# KiCad board plz actually have soldermask.kicad_pcb (continued)
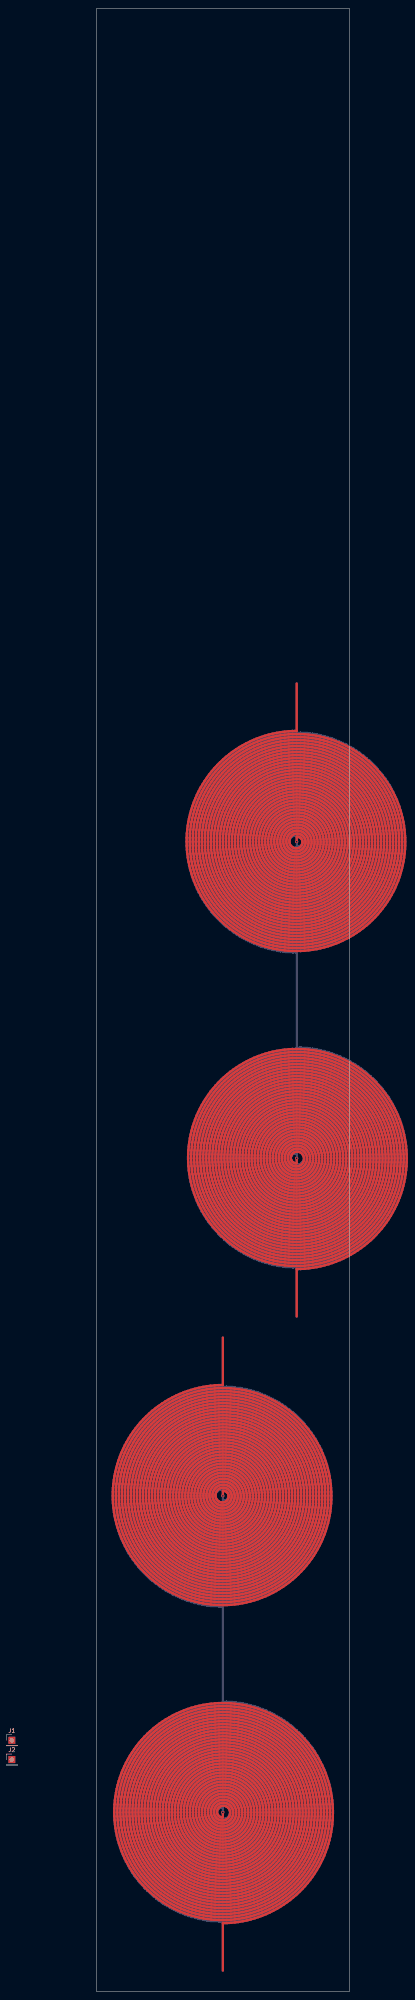
[diagram p0: board, top side]
## Routing (per net, layer and track width the routed paths; a pad name or vN(x,y) marks a point on that pad's centre or on a via; arc(x,y) is an arc through that point) (continued)
46.11,100.42 46.83,101.03 47.52,101.67 48.19,102.33 48.84,103.02 49.45,103.73 50.04,104.47 50.6,105.23 51.13,106 51.63,106.8 52.1,107.62 52.54,108.46 52.95,109.31 53.32,110.17 53.66,111.05 53.97,111.95 54.24,112.85 54.48,113.76 54.68,114.69 54.85,115.62 54.98,116.55 55.07,117.49 55.13,118.44 55.15,119.38 55.14,120.33 55.09,121.27 55,122.21 54.88,123.15 54.72,124.08 54.53,125.01 54.3,125.93 54.04,126.83 53.74,127.73 53.41,128.62 53.04,129.49 52.64,130.35 52.21,131.19 51.74,132.02 51.25,132.83 50.72,133.62 50.16,134.38 49.58,135.13 48.96,135.85 48.32,136.55 47.65,137.22 46.96,137.87 46.24,138.49 45.5,139.09 44.74,139.65 43.95,140.19 43.15,140.69 42.33,141.16 41.48,141.61 40.63,142.02 39.75,142.39 38.87,142.73 37.97,143.04 37.06,143.32 36.14,143.55 35.21,143.76 34.27,143.93 33.33,144.06 32.38,144.15 31.43,144.21 30.48,144.23 29.53,144.22 28.58,144.17 27.63,144.08 26.68,143.96 25.74,143.8 24.81,143.61 23.89,143.38 22.97,143.11 22.07,142.81 21.17,142.47 20.29,142.1 19.43,141.7 18.58,141.27 17.75,140.8 16.93,140.3 16.14,139.77 15.37,139.21 14.62,138.62 13.89,138 13.18,137.35 12.5,136.68 11.85,135.98 11.23,135.26 10.63,134.51 10.06,133.74 9.52,132.95 9.01,132.14 8.54,131.31 8.09,130.47 7.68,129.6 7.3,128.72 6.95,127.83 6.64,126.92 6.37,126.01 6.13,125.08 5.92,124.14 5.75,123.2 5.62,122.25 5.53,121.3 5.47,120.34 5.44,119.38 5.46,118.42 5.51,117.46 5.6,116.51 5.72,115.56 5.88,114.61 6.08,113.67 6.31,112.74 6.58,111.82 6.88,110.9 7.22,110 7.59,109.12 8,108.25 8.43,107.39 8.91,106.55 9.41,105.73 9.94,104.94 10.51,104.16 11.1,103.4 11.73,102.67 12.38,101.96 13.05,101.27 13.76,100.62 14.49,99.99 15.24,99.38 16.01,98.81 16.81,98.27 17.62,97.76 18.46,97.28 19.31,96.83 20.18,96.41 21.07,96.03 21.97,95.68 22.88,95.37 23.81,95.09 24.74,94.85 25.68,94.65 26.63,94.48 27.59,94.34 28.55,94.24 29.51,94.18 30.48,94.16 31.42,94.18 32.37,94.22 33.3,94.31 34.24,94.43 35.17,94.58 36.1,94.77 37.01,94.99 37.92,95.25 38.82,95.54 39.71,95.86 40.58,96.22 41.44,96.61 42.29,97.03 43.12,97.49 43.93,97.97 44.72,98.49 45.5,99.03 46.25,99.6 46.98,100.2 47.69,100.83 48.38,101.48 49.04,102.16 49.67,102.87 50.28,103.59 50.86,104.34 51.41,105.11 51.93,105.9 52.42,106.71 52.89,107.54 53.32,108.38 53.72,109.24 54.08,110.12 54.42,111 54.72,111.9 54.99,112.81 55.22,113.73 55.42,114.66 55.58,115.6 55.71,116.54 55.8,117.48 55.86,118.43 55.88,119.38 55.87,120.33 55.82,121.28 55.73,122.23 55.61,123.17 55.46,124.11 55.27,125.04 55.04,125.96 54.78,126.88 54.49,127.78 54.16,128.68 53.8,129.56 53.41,130.42 52.99,131.27 52.53,132.11 52.04,132.93 51.52,133.73 50.98,134.51 50.4,135.27 49.79,136 49.16,136.72 48.5,137.4 47.82,138.07 47.11,138.71 46.38,139.32 45.63,139.9 44.85,140.46 44.06,140.99 43.24,141.48 42.41,141.95 41.56,142.38 40.69,142.78 39.81,143.15 38.92,143.49 38.01,143.79 37.09,144.06 36.17,144.29 35.23,144.49 34.29,144.66 33.34,144.79 32.39,144.88 31.44,144.94 30.48,144.96 29.52,144.95 28.57,144.9 27.61,144.81 26.66,144.69 25.72,144.54 24.78,144.35 23.85,144.12 22.93,143.86 22.02,143.56 21.12,143.23 20.23,142.87 19.36,142.47 18.5,142.05 17.66,141.59 16.84,141.1 16.03,140.57 15.25,140.02 14.48,139.44 13.74,138.83 13.02,138.2 12.33,137.53 11.66,136.84 11.01,136.13 10.4,135.39 9.81,134.64 9.25,133.85 8.72,133.05 8.22,132.23 7.75,131.39 7.31,130.54 6.91,129.66 6.54,128.78 6.2,127.88 5.89,126.96 5.62,126.04 5.39,125.11 5.19,124.17 5.02,123.22 4.89,122.26 4.8,121.3 4.74,120.34 4.72,119.38 4.73,118.42 4.78,117.45 4.87,116.49 4.99,115.54 5.14,114.59 5.34,113.64 5.57,112.7 5.83,111.78 6.13,110.86 6.46,109.95 6.82,109.06 7.22,108.18 7.65,107.32 8.12,106.47 8.61,105.64 9.14,104.83 9.69,104.04 10.28,103.27 10.89,102.52 11.53,101.8 12.2,101.1 12.89,100.42 13.61,99.78 14.35,99.16 15.12,98.56 15.9,98 16.71,97.47 17.54,96.96 18.38,96.49 19.25,96.05 20.12,95.64 21.02,95.27 21.92,94.93 22.84,94.62 23.77,94.35 24.71,94.11 25.66,93.91 26.62,93.74 27.58,93.61 28.54,93.52 29.51,93.46 30.48,93.44 31.43,93.45 32.37,93.5 33.32,93.58 34.26,93.69 35.2,93.85 36.13,94.03 37.05,94.25 37.96,94.5 38.87,94.79 39.76,95.11 40.65,95.46 41.51,95.84 42.37,96.26 43.21,96.7 44.03,97.18 44.83,97.69 45.62,98.22 46.38,98.78 47.13,99.38 47.85,99.99 48.55,100.64 49.22,101.31 49.88,102 50.5,102.72 51.1,103.46 51.67,104.22 52.21,105 52.73,105.8 53.21,106.62 53.67,107.46 54.09,108.31 54.48,109.18 54.84,110.06 55.17,110.96 55.47,111.86 55.73,112.78 55.96,113.7 56.15,114.64 56.31,115.58 56.44,116.52 56.53,117.47 56.59,118.43 56.61,119.38 56.59,120.33 56.55,121.29 56.46,122.24 56.35,123.19 56.19,124.13 56.01,125.07 55.79,126 55.53,126.92 55.24,127.83 54.92,128.73 54.57,129.62 54.18,130.49 53.76,131.35 53.32,132.2 52.84,133.02 52.33,133.83 51.79,134.62 51.22,135.39 50.62,136.14 50,136.87 49.35,137.58 48.68,138.26 47.98,138.91 47.26,139.54 46.51,140.14 45.75,140.72 44.96,141.26 44.15,141.78 43.33,142.27 42.48,142.73 41.63,143.16 40.75,143.55 39.86,143.91 38.96,144.24 38.05,144.54 37.13,144.8 36.19,145.03 35.25,145.23 34.31,145.39 33.36,145.52 32.4,145.61 31.44,145.67 30.48,145.69 29.52,145.68 28.56,145.63 27.6,145.54 26.65,145.42 25.7,145.27 24.75,145.08 23.82,144.86 22.89,144.61 21.97,144.32 21.07,143.99 20.17,143.64 19.29,143.25 18.43,142.83 17.58,142.37 16.74,141.89 15.93,141.38 15.13,140.83 14.35,140.26 13.6,139.66 12.87,139.04 12.16,138.38 11.47,137.7 10.81,137 10.18,136.27 9.57,135.52 8.99,134.75 8.44,133.96 7.92,133.15 7.43,132.32 6.97,131.47 6.54,130.6 6.14,129.72 5.78,128.83 5.44,127.92 5.15,127 4.88,126.07 4.65,125.13 4.45,124.19 4.29,123.23 4.16,122.28 4.07,121.31 4.01,120.35 3.99,119.38 4,118.41 4.05,117.45 4.14,116.48 4.26,115.52 4.41,114.56 4.6,113.61 4.82,112.67 5.08,111.74 5.37,110.81 5.7,109.9 6.06,109 6.45,108.11 6.87,107.24 7.33,106.39 7.81,105.55 8.33,104.73 8.88,103.92 9.45,103.14 10.06,102.38 10.69,101.65 11.35,100.93 12.03,100.24 12.74,99.58 13.47,98.94 14.23,98.33 15,97.75 15.8,97.19 16.62,96.67 17.46,96.17 18.31,95.71 19.18,95.28 20.07,94.88 20.97,94.51 21.88,94.17 22.81,93.87 23.74,93.6 24.69,93.37 25.64,93.17 26.6,93.01 27.56,92.88 28.53,92.79 29.51,92.73 30.48,92.71 30.48,69.85 31.45,69.83 32.43,69.77 33.4,69.68 34.36,69.55 35.32,69.39 36.27,69.19 37.22,68.96 38.15,68.69 39.08,68.39 39.99,68.05 40.89,67.68 41.78,67.28 42.65,66.85 43.5,66.39 44.34,65.89 45.16,65.37 45.96,64.81 46.73,64.23 47.49,63.62 48.22,62.98 48.93,62.32 49.61,61.63 50.27,60.91 50.9,60.18 51.51,59.42 52.08,58.64 52.63,57.83 53.15,57.01 53.63,56.17 54.09,55.32 54.51,54.45 54.9,53.56 55.26,52.66 55.59,51.75 55.88,50.82 56.14,49.89 56.36,48.95 56.55,48 56.7,47.04 56.82,46.08 56.91,45.11 56.96,44.15 56.97,43.18 56.95,42.21 56.89,41.25 56.8,40.28 56.67,39.33 56.51,38.37 56.31,37.43 56.08,36.49 55.81,35.56 55.52,34.64 55.18,33.73 54.82,32.84 54.42,31.96 53.99,31.09 53.53,30.24 53.04,29.41 52.52,28.6 51.97,27.81 51.39,27.04 50.78,26.29 50.15,25.56 49.49,24.86 48.8,24.18 48.09,23.52 47.36,22.9 46.61,22.3 45.83,21.73 45.03,21.18 44.22,20.67 43.38,20.19 42.53,19.73 41.67,19.31 40.79,18.92 39.89,18.57 38.99,18.24 38.07,17.95 37.14,17.7 36.21,17.48 35.26,17.29 34.31,17.14 33.36,17.02 32.4,16.93 31.44,16.88 30.48,16.87 29.52,16.89 28.56,16.95 27.6,17.04 26.65,17.17 25.71,17.33 24.77,17.53 23.83,17.76 22.91,18.02 22,18.32 21.1,18.65 20.21,19.01 19.33,19.4 18.48,19.83 17.63,20.29 16.81,20.78 16,21.3 15.21,21.84 14.45,22.42 13.7,23.02 12.98,23.65 12.28,24.3 11.61,24.98 10.96,25.69 10.34,26.42 9.74,27.17 9.17,27.94 8.63,28.73 8.12,29.54 7.64,30.36 7.2,31.21 6.78,32.07 6.39,32.94 6.04,33.83 5.72,34.73 5.43,35.64 5.17,36.56 4.95,37.49 4.77,38.43 4.61,39.37 4.5,40.32 4.41,41.27 4.37,42.23 4.35,43.18 4.37,44.13 4.43,45.09 4.52,46.04 4.65,46.98 4.81,47.92 5,48.86 5.23,49.78 5.49,50.7 5.79,51.6 6.12,52.5 6.48,53.38 6.87,54.25 7.29,55.1 7.75,55.94 8.23,56.76 8.75,57.56 9.29,58.34 9.86,59.1 10.46,59.84 11.08,60.56 11.74,61.25 12.41,61.92 13.11,62.57 13.83,63.18 14.58,63.78 15.34,64.34 16.13,64.87 16.93,65.38 17.75,65.86 18.59,66.3 19.45,66.72 20.31,67.1 21.2,67.45 22.09,67.77 23,68.06 23.91,68.31 24.83,68.53 25.76,68.71 26.7,68.87 27.64,68.98 28.59,69.06 29.53,69.11 30.48,69.12 31.45,69.1 32.42,69.04 33.38,68.95 34.34,68.82 35.3,68.65 36.25,68.45 37.19,68.21 38.12,67.94 39.04,67.63 39.94,67.29 40.84,66.92 41.71,66.51 42.58,66.07 43.42,65.6 44.25,65.09 45.06,64.56 45.84,64 46.61,63.4 47.35,62.78 48.07,62.14 48.76,61.46 49.43,60.76 50.07,60.04 50.68,59.29 51.27,58.52 51.82,57.73 52.35,56.92 52.84,56.09 53.31,55.24 53.74,54.38 54.14,53.5 54.5,52.61 54.83,51.7 55.13,50.78 55.39,49.86 55.62,48.92 55.82,47.97 55.97,47.02 56.09,46.07 56.18,45.11 56.23,44.14 56.24,43.18 56.22,42.22 56.16,41.26 56.07,40.3 55.94,39.34 55.77,38.39 55.57,37.45 55.34,36.52 55.07,35.6 54.76,34.68 54.42,33.78 54.05,32.9 53.65,32.02 53.21,31.17 52.74,30.33 52.24,29.51 51.71,28.71 51.15,27.92 50.56,27.17 49.95,26.43 49.3,25.72 48.63,25.03 47.94,24.36 47.22,23.73 46.48,23.12 45.71,22.54 44.93,21.99 44.12,21.46 43.3,20.97 42.46,20.51 41.6,20.09 40.73,19.69 39.84,19.33 38.94,19 38.03,18.7 37.11,18.44 36.18,18.21 35.24,18.02 34.3,17.87 33.35,17.75 32.39,17.66 31.44,17.61 30.48,17.6 29.52,17.62 28.57,17.68 27.62,17.77 26.67,17.9 25.73,18.07 24.79,18.27 23.87,18.5 22.95,18.77 22.04,19.07 21.15,19.41 20.27,19.78 19.4,20.18 18.55,20.61 17.72,21.08 16.9,21.57 16.11,22.1 15.33,22.66 14.58,23.24 13.85,23.85 13.14,24.49 12.46,25.16 11.8,25.84 11.17,26.56 10.56,27.29 9.98,28.05 9.44,28.83 8.92,29.63 8.43,30.45 7.97,31.29 7.55,32.14 7.16,33 6.8,33.88 6.47,34.78 6.18,35.68 5.92,36.6 5.69,37.52 5.5,38.45 5.35,39.39 5.23,40.33 5.14,41.28 5.09,42.23 5.08,43.18 5.1,44.13 5.16,45.08 5.25,46.02 5.38,46.96 5.54,47.9 5.74,48.83 5.97,49.75 6.24,50.66 6.54,51.56 6.88,52.44 7.24,53.32 7.64,54.18 8.07,55.02 8.54,55.85 9.03,56.66 9.55,57.45 10.1,58.22 10.68,58.97 11.29,59.69 11.92,60.4 12.58,61.08 13.27,61.73 13.98,62.36 14.71,62.96 15.46,63.53 16.24,64.07 17.03,64.59 17.84,65.07 18.67,65.53 19.52,65.95 20.38,66.34 21.25,66.7 22.14,67.02 23.04,67.31 23.95,67.57 24.86,67.79 25.79,67.98 26.72,68.13 27.66,68.25 28.59,68.34 29.54,68.38 30.48,68.4 31.45,68.38 32.41,68.32 33.37,68.22 34.33,68.08 35.28,67.91 36.22,67.71 37.15,67.47 38.08,67.19 38.99,66.88 39.89,66.53 40.78,66.15 41.65,65.73 42.5,65.28 43.34,64.8 44.15,64.29 44.95,63.75 45.72,63.18 46.47,62.57 47.2,61.94 47.91,61.29 48.58,60.6 49.23,59.89 49.86,59.16 50.45,58.4 51.02,57.62 51.55,56.83 52.05,56.01 52.53,55.17 52.96,54.31 53.37,53.44 53.74,52.56 54.08,51.66 54.38,50.74 54.65,49.82 54.88,48.89 55.08,47.95 55.24,47 55.36,46.05 55.45,45.1 55.5,44.14 55.52,43.18 55.49,42.22 55.43,41.26 55.34,40.31 55.21,39.36 55.04,38.42 54.83,37.48 54.59,36.55 54.32,35.64 54.01,34.73 53.66,33.84 53.28,32.96 52.87,32.09 52.42,31.25 51.95,30.42 51.44,29.61 50.9,28.82 50.33,28.05 49.73,27.3 49.11,26.58 48.46,25.88 47.78,25.21 47.07,24.56 46.34,23.94 45.59,23.35 44.82,22.79 44.03,22.26 43.21,21.76 42.38,21.29 41.53,20.86 40.67,20.46 39.79,20.09 38.89,19.75 37.99,19.45 37.07,19.18 36.15,18.95 35.22,18.76 34.28,18.6 33.33,18.48 32.38,18.39 31.43,18.34 30.48,18.33 29.53,18.35 28.58,18.41 27.63,18.5 26.69,18.63 25.75,18.8 24.82,19.01 23.9,19.24 22.99,19.52 22.09,19.83 21.21,20.17 20.33,20.54 19.48,20.95 18.63,21.4 17.81,21.87 17.01,22.37 16.22,22.91 15.46,23.47 14.72,24.07 14,24.69 13.31,25.34 12.64,26.01 12,26.71 11.38,27.43 10.8,28.18 10.24,28.94 9.71,29.73 9.22,30.54 8.75,31.37 8.32,32.21 7.92,33.07 7.55,33.94 7.22,34.83 6.92,35.73 6.66,36.63 6.43,37.55 6.24,38.48 6.08,39.41 5.96,40.35 5.87,41.29 5.82,42.23 5.81,43.18 5.83,44.12 5.89,45.07 5.98,46.01 6.11,46.94 6.28,47.87 6.48,48.8 6.72,49.71 6.99,50.61 7.3,51.51 7.64,52.39 8.01,53.25 8.42,54.1 8.86,54.94 9.33,55.76 9.83,56.56 10.36,57.33 10.92,58.09 11.51,58.83 12.12,59.54 12.77,60.23 13.44,60.89 14.13,61.53 14.85,62.14 15.59,62.72 16.35,63.27 17.13,63.79 17.93,64.29 18.75,64.75 19.59,65.18 20.44,65.57 21.31,65.94 22.19,66.27 23.08,66.56 23.98,66.83 24.89,67.05 25.81,67.24 26.74,67.4 27.67,67.52 28.6,67.61 29.54,67.66 30.48,67.67 31.44,67.65 32.4,67.59 33.36,67.49 34.31,67.35 35.25,67.18 36.19,66.97 37.12,66.72 38.04,66.44 38.94,66.12 39.83,65.76 40.71,65.38 41.57,64.95 42.42,64.5 43.24,64.01 44.05,63.49 44.83,62.93 45.59,62.35 46.33,61.74 47.05,61.1 47.73,60.43 48.39,59.74 49.03,59.02 49.63,58.28 50.21,57.51 50.75,56.72 51.26,55.91 51.74,55.09 52.19,54.24 52.6,53.38 52.98,52.5 53.33,51.61 53.63,50.7 53.91,49.79 54.14,48.86 54.34,47.93 54.51,46.99 54.63,46.04 54.72,45.09 54.78,44.13 54.79,43.18 54.77,42.23 54.71,41.27 54.61,40.32 54.47,39.38 54.3,38.44 54.09,37.51 53.85,36.59 53.56,35.68 53.25,34.78 52.9,33.89 52.51,33.02 52.09,32.17 51.64,31.33 51.15,30.51 50.64,29.71 50.09,28.93 49.51,28.18 48.9,27.45 48.27,26.74 47.6,26.06 46.92,25.4 46.2,24.77 45.47,24.17 44.7,23.6 43.92,23.06 43.12,22.55 42.3,22.08 41.46,21.63 40.6,21.22 39.73,20.85 38.85,20.51 37.95,20.2 37.04,19.93 36.12,19.69 35.19,19.49 34.26,19.33 33.32,19.21 32.37,19.12 31.43,19.07 30.48,19.05 29.53,19.08 28.59,19.14 27.65,19.23 26.71,19.37 25.78,19.54 24.85,19.75 23.94,19.99 23.04,20.27 22.14,20.58 21.26,20.93 20.4,21.31 19.55,21.73 18.72,22.18 17.91,22.66 17.11,23.18 16.34,23.72 15.59,24.29 14.86,24.9 14.16,25.53 13.48,26.18 12.83,26.87 12.21,27.58 11.61,28.31 11.05,29.06 10.51,29.84 10.01,30.64 9.54,31.45 9.1,32.28 8.69,33.13 8.32,34 7.98,34.88 7.67,35.77 7.4,36.67 7.17,37.58 6.97,38.5 6.81,39.43 6.69,40.36 6.6,41.3 6.55,42.24 6.53,43.18 6.56,44.12 6.62,45.06 6.71,45.99 6.85,46.92 7.02,47.85 7.22,48.76 7.46,49.67 7.74,50.57 8.05,51.45 8.4,52.33 8.78,53.18 9.19,54.03 9.64,54.85 10.12,55.66 10.63,56.45 11.17,57.21 11.74,57.96 12.33,58.68 12.96,59.38 13.61,60.05 14.29,60.69 14.99,61.31 15.72,61.9 16.47,62.46 17.24,63 18.03,63.5 18.84,63.97 19.67,64.4 20.51,64.81 21.37,65.18 22.24,65.51 23.13,65.82 24.02,66.08 24.93,66.31 25.84,66.51 26.76,66.67 27.69,66.79 28.61,66.88 29.55,66.93 30.48,66.94 31.44,66.92 32.39,66.86 33.34,66.76 34.29,66.62 35.23,66.44 36.16,66.23 37.08,65.97 37.99,65.69 38.89,65.36 39.78,65 40.65,64.6 41.5,64.17 42.33,63.71 43.15,63.21 43.94,62.68 44.71,62.12 45.46,61.53 46.18,60.9 46.88,60.25 47.55,59.58 48.19,58.87 48.81,58.14 49.39,57.39 49.95,56.62 50.47,55.82 50.96,55 51.41,54.17 51.83,53.31 52.22,52.44 52.57,51.56 52.88,50.66 53.16,49.75 53.4,48.83 53.61,47.9 53.78,46.97 53.9,46.02 54,45.08 54.05,44.13 54.06,43.18 54.04,42.23 53.98,41.28 53.88,40.34 53.74,39.4 53.56,38.47 53.35,37.54 53.1,36.63 52.81,35.72 52.49,34.83 52.13,33.95 51.74,33.09 51.31,32.25 50.85,31.42 50.36,30.61 49.83,29.82 49.27,29.06 48.69,28.32 48.07,27.6 47.42,26.91 46.75,26.24 46.05,25.6 45.33,24.99 44.58,24.41 43.81,23.86 43.02,23.35 42.21,22.86 41.38,22.41 40.53,21.99 39.67,21.61 38.79,21.26 37.9,20.95 37,20.67 36.09,20.43 35.17,20.23 34.24,20.06 33.3,19.94 32.36,19.85 31.42,19.79 30.48,19.78 29.54,19.8 28.6,19.86 27.66,19.96 26.73,20.1 25.8,20.28 24.89,20.49 23.98,20.73 23.08,21.02 22.2,21.34 21.33,21.69 20.47,22.09 19.63,22.51 18.81,22.97 18.01,23.46 17.23,23.98 16.47,24.53 15.73,25.12 15.02,25.73 14.33,26.37 13.67,27.03 13.04,27.73 12.43,28.45 11.86,29.19 11.31,29.95 10.8,30.74 10.32,31.54 9.87,32.36 9.46,33.2 9.08,34.06 8.73,34.93 8.42,35.82 8.15,36.71 7.91,37.62 7.71,38.53 7.54,39.45 7.42,40.38 7.33,41.31 7.28,42.24 7.26,43.18 7.28,44.11 7.35,45.05 7.44,45.98 7.58,46.9 7.75,47.82 7.96,48.73 8.21,49.63 8.49,50.52 8.81,51.4 9.16,52.26 9.55,53.11 9.97,53.94 10.42,54.76 10.91,55.55 11.43,56.33 11.98,57.08 12.56,57.81 13.16,58.52 13.8,59.2 14.46,59.86 15.15,60.49 15.86,61.09 16.6,61.66 17.35,62.2 18.13,62.71 18.93,63.18 19.75,63.63 20.58,64.04 21.43,64.42 22.3,64.76 23.17,65.07 24.06,65.34 24.96,65.57 25.87,65.77 26.78,65.94 27.7,66.06 28.63,66.15 29.55,66.2 30.48,66.22 31.43,66.19 32.38,66.13 33.33,66.03 34.27,65.88 35.2,65.7 36.13,65.48 37.04,65.23 37.95,64.93 38.84,64.6 39.71,64.23 40.57,63.83 41.42,63.39 42.24,62.92 43.04,62.41 43.82,61.87 44.58,61.3 45.32,60.7 46.02,60.07 46.71,59.41 47.36,58.72 47.98,58 48.58,57.26 49.14,56.5 49.67,55.72 50.17,54.91 50.63,54.09 51.06,53.24 51.45,52.38 51.81,51.5 52.13,50.61 52.42,49.71 52.66,48.8 52.87,47.88 53.04,46.94 53.17,46.01 53.27,45.07 53.32,44.12 53.34,43.18 53.31,42.24 53.25,41.29 53.15,40.35 53,39.42 52.83,38.49 52.61,37.58 52.35,36.67 52.06,35.77 51.73,34.89 51.37,34.02 50.97,33.17 50.53,32.33 50.06,31.51 49.56,30.72 49.02,29.94 48.46,29.19 47.86,28.46 47.23,27.76 46.58,27.08 45.89,26.44 45.19,25.82 44.45,25.23 43.7,24.67 42.92,24.14 42.12,23.65 41.3,23.19 40.46,22.76 39.61,22.37 38.74,22.02 37.85,21.7 36.96,21.42 36.05,21.17 35.14,20.97 34.22,20.8 33.29,20.67 32.35,20.57 31.42,20.52 30.48,20.51 29.54,20.53 28.61,20.59 27.68,20.69 26.75,20.83 25.83,21.01 24.92,21.23 24.02,21.48 23.13,21.77 22.25,22.1 21.39,22.46 20.54,22.86 19.72,23.29 18.91,23.76 18.12,24.25 17.35,24.79 16.6,25.35 15.88,25.94 15.18,26.56 14.51,27.21 13.87,27.89 13.25,28.59 12.67,29.32 12.12,30.07 11.59,30.84 11.1,31.63 10.65,32.45 10.23,33.28 9.84,34.13 9.49,34.99 9.17,35.86 8.89,36.75 8.65,37.65 8.44,38.56 8.28,39.47 8.15,40.4 8.06,41.32 8,42.25 7.99,43.18 8.01,44.11 8.07,45.04 8.18,45.96 8.31,46.88 8.49,47.79 8.7,48.69 8.96,49.59 9.24,50.47 9.57,51.34 9.93,52.2 10.32,53.04 10.75,53.86 11.21,54.66 11.71,55.45 12.23,56.21 12.79,56.95 13.38,57.66 14,58.35 14.64,59.02 15.31,59.66 16.01,60.27 16.73,60.85 17.47,61.4 18.24,61.91 19.03,62.4 19.83,62.85 20.66,63.27 21.5,63.65 22.35,64 23.22,64.32 24.1,64.59 25,64.84 25.9,65.04 26.8,65.2 27.72,65.33 28.64,65.42 29.56,65.48 30.48,65.49 31.43,65.46 32.37,65.4 33.31,65.29 34.25,65.15 35.18,64.97 36.09,64.74 37,64.48 37.9,64.18 38.78,63.84 39.65,63.46 40.5,63.05 41.33,62.61 42.14,62.12 42.93,61.61 43.7,61.06 44.45,60.48 45.16,59.86 45.86,59.22 46.52,58.55 47.15,57.85 47.76,57.13 48.33,56.38 48.87,55.61 49.38,54.82 49.85,54 50.29,53.17 50.69,52.31 51.05,51.45 51.38,50.56 51.67,49.67 51.92,48.76 52.14,47.85 52.31,46.92 52.44,45.99 52.54,45.06 52.59,44.12 52.61,43.18 52.58,42.24 52.52,41.3 52.41,40.37 52.27,39.44 52.09,38.52 51.87,37.61 51.61,36.71 51.31,35.82 50.97,34.95 50.6,34.09 50.19,33.24 49.75,32.42 49.27,31.61 48.76,30.83 48.21,30.07 47.64,29.33 47.03,28.62 46.39,27.93 45.73,27.27 45.03,26.64 44.32,26.04 43.57,25.48 42.81,24.94 42.02,24.44 41.21,23.97 40.38,23.54 39.54,23.14 38.68,22.78 37.8,22.45 36.92,22.16 36.02,21.91 35.11,21.7 34.19,21.53 33.27,21.4 32.34,21.3 31.41,21.25 30.48,21.23 29.55,21.26 28.62,21.32 27.69,21.43 26.77,21.57 25.86,21.75 24.96,21.97 24.06,22.23 23.18,22.52 22.31,22.86 21.46,23.23 20.62,23.63 19.81,24.07 19.01,24.55 18.23,25.05 17.47,25.59 16.74,26.17 16.04,26.77 15.36,27.4 14.7,28.06 14.08,28.75 13.49,29.46 12.92,30.19 12.39,30.95 11.89,31.74 11.43,32.54 11,33.36 10.6,34.19 10.24,35.05 9.92,35.92 9.64,36.8 9.39,37.69 9.18,38.59 9.01,39.5 8.88,40.41 8.78,41.33 8.73,42.26 8.72,43.18 8.74,44.1 8.8,45.02 8.91,45.94 9.05,46.85 9.23,47.76 9.45,48.66 9.7,49.54 10,50.42 10.33,51.28 10.69,52.12 11.09,52.95 11.53,53.77 12,54.56 12.5,55.33 13.04,56.08 13.61,56.8 14.2,57.5 14.83,58.18 15.48,58.83 16.17,59.44 16.87,60.03 17.6,60.59 18.36,61.12 19.13,61.61 19.93,62.07 20.74,62.5 21.57,62.89 22.42,63.25 23.28,63.57 24.15,63.85 25.03,64.1 25.93,64.3 26.83,64.47 27.74,64.6 28.65,64.7 29.56,64.75 30.48,64.76 31.42,64.74 32.36,64.67 33.3,64.56 34.22,64.42 35.15,64.23 36.06,64 36.96,63.73 37.85,63.42 38.72,63.08 39.58,62.7 40.42,62.28 41.24,61.82 42.04,61.33 42.82,60.8 43.57,60.24 44.3,59.65 45,59.03 45.68,58.38 46.32,57.7 46.94,56.99 47.52,56.25 48.07,55.5 48.58,54.71 49.07,53.91 49.51,53.09 49.92,52.25 50.29,51.39 50.63,50.51 50.92,49.63 51.18,48.73 51.4,47.82 51.58,46.9 51.71,45.98 51.81,45.05 51.87,44.11 51.88,43.18 51.86,42.25 51.79,41.32 51.68,40.39 51.54,39.47 51.35,38.55 51.12,37.65 50.86,36.76 50.55,35.87 50.21,35.01 49.83,34.16 49.41,33.32 48.96,32.51 48.47,31.72 47.95,30.95 47.4,30.2 46.81,29.48 46.2,28.78 45.55,28.11 44.87,27.47 44.17,26.86 43.44,26.29 42.69,25.74 41.92,25.23 41.12,24.75 40.3,24.31 39.47,23.9 38.62,23.53 37.75,23.2 36.87,22.91 35.98,22.65 35.08,22.44 34.17,22.26 33.25,22.13 32.33,22.03 31.41,21.98 30.48,21.96 29.55,21.99 28.63,22.05 27.71,22.16 26.8,22.3 25.89,22.49 25,22.71 24.11,22.98 23.24,23.28 22.38,23.62 21.53,23.99 20.71,24.41 19.9,24.86 19.11,25.34 18.35,25.86 17.61,26.41 16.89,26.99 16.2,27.6 15.54,28.24 14.91,28.91 14.3,29.61 13.73,30.33 13.19,31.07 12.68,31.84 12.21,32.63 11.77,33.44 11.37,34.27 11,35.11 10.67,35.97 10.38,36.84 10.13,37.73 9.92,38.62 9.74,39.52 9.61,40.43 9.51,41.35 9.46,42.26 9.44,43.18 9.47,44.1 9.53,45.01 9.64,45.92 9.78,46.83 9.97,47.73 10.19,48.62 10.45,49.5 10.75,50.36 11.09,51.21 11.46,52.05 11.87,52.87 12.31,53.67 12.79,54.45 13.3,55.21 13.85,55.94 14.43,56.65 15.03,57.33 15.67,57.99 16.33,58.62 17.02,59.22 17.74,59.79 18.48,60.32 19.24,60.83 20.02,61.29 20.82,61.73 21.64,62.13 22.48,62.49 23.33,62.82 24.2,63.1 25.07,63.35 25.96,63.57 26.85,63.74 27.76,63.87 28.66,63.97 29.57,64.02 30.48,64.04 31.42,64.01 32.35,63.94 33.28,63.83 34.2,63.68 35.12,63.49 36.02,63.25 36.91,62.98 37.79,62.67 38.66,62.31 39.51,61.92 40.34,61.5 41.15,61.03 41.93,60.53 42.7,59.99 43.43,59.42 44.15,58.82 44.83,58.19 45.49,57.53 46.11,56.84 46.7,56.12 47.26,55.37 47.79,54.61 48.28,53.82 48.74,53 49.15,52.17 49.53,51.32 49.87,50.46 50.18,49.58 50.44,48.69 50.66,47.79 50.84,46.88 50.98,45.96 51.08,45.03 51.14,44.11 51.15,43.18 51.13,42.25 51.06,41.33 50.95,40.41 50.8,39.49 50.61,38.59 50.38,37.69 50.11,36.8 49.8,35.93 49.45,35.07 49.06,34.23 48.64,33.41 48.17,32.61 47.68,31.83 47.15,31.07 46.58,30.34 45.99,29.63 45.36,28.95 44.7,28.3 44.02,27.69 43.31,27.1 42.57,26.54 41.81,26.02 41.02,25.53 40.22,25.08 39.39,24.67 38.55,24.29 37.7,23.96 36.82,23.66 35.94,23.4 35.05,23.18 34.14,23 33.23,22.86 32.32,22.76 31.4,22.7 30.48,22.69 29.56,22.71 28.64,22.78 27.73,22.89 26.82,23.04 25.93,23.23 25.04,23.46 24.16,23.73 23.29,24.03 22.44,24.38 21.61,24.76 20.8,25.18 20,25.64 19.23,26.13 18.48,26.66 17.75,27.22 17.05,27.81 16.38,28.43 15.74,29.08 15.12,29.76 14.54,30.47 13.99,31.2 13.47,31.95 12.99,32.73 12.54,33.53 12.13,34.34 11.76,35.18 11.43,36.03 11.13,36.89 10.87,37.77 10.65,38.65 10.48,39.55 10.34,40.45 10.24,41.36 10.18,42.27 10.17,43.18 10.19,44.09 10.26,45 10.37,45.9 10.52,46.8 10.7,47.69 10.93,48.58 11.2,49.45 11.5,50.3 11.85,51.14 12.23,51.97 12.64,52.78 13.1,53.57 13.59,54.33 14.11,55.08 14.66,55.79 15.25,56.49 15.86,57.15 16.51,57.79 17.18,58.4 17.88,58.98 18.61,59.52 19.35,60.04 20.12,60.51 20.91,60.96 21.72,61.36 22.55,61.73 23.39,62.06 24.25,62.36 25.12,62.61 26,62.83 26.88,63.01 27.78,63.14 28.67,63.24 29.58,63.29 30.48,63.31 31.41,63.28 32.34,63.21 33.26,63.1 34.17,62.95 35.08,62.75 35.98,62.51 36.86,62.23 37.74,61.91 38.59,61.55 39.43,61.15 40.25,60.71 41.04,60.24 41.82,59.73 42.57,59.18 43.29,58.6 43.98,57.99 44.65,57.35 45.28,56.68 45.89,55.97 46.46,55.25 46.99,54.49 47.49,53.71 47.96,52.92 48.38,52.1 48.77,51.26 49.12,50.4 49.43,49.53 49.7,48.65 49.92,47.75 50.11,46.85 50.25,45.94 50.35,45.02 50.41,44.1 50.43,43.18 50.4,42.26 50.33,41.34 50.22,40.43 50.07,39.52 49.87,38.62 49.63,37.73 49.36,36.85 49.04,35.99 48.68,35.14 48.29,34.31 47.85,33.5 47.38,32.71 46.88,31.95 46.34,31.2 45.76,30.49 45.16,29.8 44.52,29.14 43.85,28.51 43.16,27.91 42.44,27.35 41.69,26.82 40.92,26.32 40.13,25.86 39.31,25.44 38.48,25.05 37.64,24.71 36.77,24.4 35.9,24.14 35.01,23.91 34.12,23.73 33.21,23.59 32.3,23.49 31.39,23.43 30.48,23.41 29.57,23.44 28.66,23.51 27.75,23.62 26.85,23.77 25.96,23.97 25.08,24.2 24.21,24.47 23.36,24.79 22.52,25.14 21.69,25.53 20.89,25.96 20.11,26.43 19.35,26.93 18.61,27.47 17.9,28.04 17.22,28.64 16.57,29.27 15.94,29.93 15.35,30.62 14.79,31.33 14.27,32.07 13.78,32.84 13.32,33.62 12.9,34.43 12.52,35.25 12.18,36.09 11.88,36.94 11.61,37.81 11.39,38.69 11.21,39.58 11.07,40.47 10.97,41.37 10.91,42.28 10.9,43.18 10.92,44.08 10.99,44.99 11.1,45.88 11.25,46.77 11.44,47.66 11.67,48.53 11.95,49.39 12.26,50.24 12.61,51.07 13,51.89 13.42,52.68 13.88,53.46 14.38,54.21 14.91,54.94 15.48,55.64 16.07,56.32 16.7,56.96 17.35,57.58 18.03,58.17 18.74,58.72 19.48,59.24 20.23,59.73 21.01,60.18 21.81,60.6 22.62,60.97 23.46,61.31 24.3,61.61 25.16,61.87 26.03,62.09 26.91,62.27 27.8,62.41 28.69,62.51 29.58,62.57 30.48,62.58 31.4,62.55 32.32,62.48 33.24,62.37 34.15,62.21 35.05,62.01 35.94,61.76 36.81,61.48 37.67,61.15 38.52,60.78 39.35,60.38 40.15,59.93 40.93,59.45 41.69,58.93 42.43,58.37 43.13,57.78 43.81,57.16 44.45,56.5 45.07,55.82 45.65,55.11 46.19,54.37 46.7,53.61 47.18,52.82 47.61,52.01 48.01,51.18 48.36,50.34 48.68,49.48 48.95,48.6 49.19,47.72 49.37,46.82 49.52,45.92 49.62,45.01 49.68,44.09 49.7,43.18 49.67,42.27 49.6,41.35 49.49,40.45 49.33,39.55 49.13,38.66 48.89,37.77 48.61,36.91 48.28,36.05 47.92,35.22 47.51,34.4 47.07,33.6 46.59,32.82 46.08,32.07 45.53,31.35 44.94,30.65 44.33,29.98 43.68,29.34 43,28.73 42.3,28.15 41.56,27.61 40.81,27.11 40.03,26.64 39.23,26.21 38.41,25.82 37.57,25.46 36.72,25.15 35.85,24.88 34.97,24.65 34.09,24.46 33.19,24.32 32.29,24.22 31.39,24.16 30.48,24.14 29.57,24.17 28.67,24.24 27.77,24.35 26.88,24.51 26,24.7 25.13,24.94 24.27,25.23 23.42,25.55 22.59,25.91 21.78,26.31 20.99,26.74 20.22,27.22 19.48,27.73 18.76,28.28 18.07,28.85 17.4,29.46 16.77,30.11 16.17,30.78 15.6,31.48 15.06,32.2 14.56,32.95 14.1,33.72 13.67,34.51 13.28,35.33 12.93,36.16 12.62,37 12.36,37.86 12.13,38.73 11.94,39.61 11.8,40.49 11.7,41.39 11.64,42.28 11.62,43.18 11.65,44.08 11.72,44.97 11.83,45.86 11.99,46.74 12.18,47.62 12.42,48.48 12.7,49.33 13.01,50.17 13.37,50.99 13.77,51.8 14.2,52.58 14.67,53.34 15.18,54.08 15.72,54.79 16.29,55.47 16.9,56.13 17.53,56.76 18.2,57.36 18.89,57.92 19.61,58.45 20.35,58.95 21.11,59.41 21.9,59.83 22.7,60.21 23.52,60.56 24.36,60.86 25.21,61.13 26.07,61.36 26.94,61.54 27.82,61.68 28.7,61.78 29.59,61.84 30.48,61.86 31.4,61.83 32.31,61.75 33.22,61.64 34.12,61.47 35.01,61.27 35.89,61.02 36.76,60.73 37.61,60.39 38.44,60.02 39.26,59.6 40.05,59.14 40.82,58.65 41.56,58.12 42.28,57.55 42.96,56.95 43.62,56.32 44.25,55.66 44.84,54.96 45.39,54.24 45.91,53.49 46.4,52.72 46.84,51.92 47.24,51.11 47.61,50.27 47.93,49.42 48.21,48.56 48.45,47.68 48.64,46.79 48.79,45.9 48.9,44.99 48.96,44.09 48.97,43.18 48.95,42.27 48.87,41.37 48.76,40.47 48.6,39.58 48.39,38.69 48.14,37.82 47.85,36.96 47.52,36.12 47.15,35.29 46.74,34.49 46.29,33.7 45.8,32.94 45.27,32.21 44.71,31.5 44.12,30.82 43.49,30.17 42.83,29.55 42.15,28.96 41.43,28.41 40.69,27.9 39.93,27.42 39.14,26.98 38.33,26.58 37.5,26.22 36.66,25.9 35.81,25.62 34.94,25.39 34.06,25.2 33.17,25.05 32.28,24.95 31.38,24.88 30.48,24.87 29.58,24.9 28.69,24.97 27.8,25.08 26.91,25.24 26.04,25.44 25.17,25.69 24.32,25.98 23.49,26.3 22.67,26.67 21.87,27.08 21.1,27.53 20.34,28.01 19.62,28.53 18.91,29.09 18.24,29.68 17.6,30.3 16.98,30.95 16.4,31.63 15.86,32.34 15.35,33.07 14.88,33.83 14.44,34.61 14.04,35.41 13.69,36.22 13.37,37.06 13.1,37.91 12.87,38.77 12.68,39.64 12.53,40.52 12.43,41.4 12.37,42.29 12.35,43.18 12.38,44.07 12.45,44.96 12.56,45.84 12.72,46.71 12.92,47.58 13.16,48.43 13.45,49.27 13.77,50.1 14.14,50.91 14.54,51.7 14.98,52.47 15.46,53.21 15.98,53.94 16.53,54.63 17.11,55.3 17.72,55.94 18.37,56.54 19.04,57.12 19.74,57.66 20.47,58.16 21.22,58.63 21.99,59.06 22.78,59.45 23.59,59.8 24.42,60.12 25.26,60.39 26.11,60.62 26.97,60.81 27.84,60.95 28.72,61.05 29.6,61.11 30.48,61.13 31.39,61.1 32.29,61.02 33.2,60.9 34.09,60.74 34.97,60.53 35.84,60.27 36.7,59.97 37.54,59.63 38.36,59.25 39.16,58.82 39.94,58.36 40.69,57.85 41.42,57.31 42.12,56.74 42.78,56.12 43.42,55.48 44.02,54.81 44.59,54.1 45.12,53.37 45.61,52.61 46.07,51.83 46.48,51.03 46.85,50.2 47.18,49.36 47.47,48.51 47.71,47.64 47.91,46.76 48.06,45.87 48.17,44.98 48.23,44.08 48.25,43.18 48.22,42.28 48.14,41.38 48.02,40.49 47.86,39.61 47.65,38.73 47.4,37.87 47.1,37.02 46.76,36.19 46.38,35.38 45.96,34.59 45.5,33.82 45,33.07 44.47,32.35 43.9,31.66 43.29,31 42.66,30.37 41.99,29.78 41.29,29.21 40.57,28.69 39.82,28.2 39.04,27.75 38.25,27.35 37.43,26.98 36.6,26.65 35.75,26.37 34.89,26.13 34.02,25.93 33.15,25.78 32.26,25.67 31.37,25.61 30.48,25.6 29.59,25.62 28.7,25.7 27.82,25.82 26.94,25.98 26.08,26.19 25.23,26.44 24.39,26.73 23.56,27.06 22.76,27.44 21.97,27.86 21.21,28.31 20.47,28.81 19.76,29.33 19.08,29.9 18.43,30.5 17.8,31.13 17.21,31.79 16.66,32.48 16.14,33.2 15.66,33.94 15.21,34.71 14.81,35.49 14.44,36.3 14.12,37.12 13.84,37.96 13.6,38.81 13.41,39.67 13.26,40.54 13.15,41.42 13.09,42.3 13.08,43.18 13.11,44.06 13.18,44.94 13.3,45.81 13.46,46.68 13.66,47.53 13.91,48.38 14.2,49.21 14.53,50.02 14.9,50.82 15.32,51.6 15.77,52.35 16.25,53.08 16.78,53.79 17.34,54.46 17.93,55.11 18.55,55.73 19.21,56.31 19.89,56.86 20.6,57.37 21.34,57.85 22.09,58.29 22.87,58.69 23.67,59.05 24.48,59.37 25.31,59.64 26.16,59.88 27.01,60.07 27.87,60.22 28.74,60.32 29.61,60.38 30.48,60.4 31.38,60.37 32.28,60.29 33.17,60.17 34.06,60 34.93,59.78 35.79,59.52 36.64,59.22 37.46,58.87 38.27,58.48 39.06,58.04 39.82,57.57 40.56,57.05 41.27,56.5 41.95,55.91 42.59,55.29 43.21,54.64 43.78,53.95 44.32,53.24 44.83,52.5 45.29,51.73 45.71,50.94 46.09,50.13 46.43,49.3 46.72,48.46 46.97,47.6 47.17,46.73 47.33,45.85 47.44,44.96 47.5,44.07 47.52,43.18 47.49,42.29 47.41,41.4 47.29,40.52 47.12,39.64 46.91,38.78 46.65,37.93 46.35,37.09 46,36.27 45.61,35.47 45.18,34.69 44.71,33.94 44.21,33.21 43.66,32.51 43.08,31.84 42.46,31.2 41.82,30.59 41.14,30.02 40.43,29.48 39.7,28.99 38.94,28.53 38.16,28.11 37.36,27.74 36.54,27.4 35.7,27.11 34.85,26.87 33.99,26.67 33.12,26.51 32.24,26.4 31.36,26.34 30.48,26.32 29.6,26.35 28.72,26.43 27.85,26.55 26.98,26.71 26.12,26.93 25.28,27.18 24.45,27.48 23.64,27.82 22.85,28.21 22.08,28.63 21.34,29.1 20.61,29.6 19.92,30.14 19.26,30.72 18.62,31.32 18.02,31.96 17.46,32.64 16.93,33.34 16.44,34.06 15.99,34.81 15.57,35.58 15.2,36.38 14.87,37.19 14.59,38.02 14.34,38.86 14.14,39.71 13.99,40.57 13.88,41.44 13.82,42.31 13.8,43.18 13.83,44.05 13.91,44.92 14.03,45.79 14.19,46.64 14.4,47.49 14.65,48.32 14.95,49.14 15.29,49.94 15.67,50.73 16.09,51.49 16.55,52.23 17.05,52.94 17.58,53.62 18.15,54.28 18.75,54.91 19.39,55.5 20.05,56.06 20.74,56.58 21.46,57.07 22.2,57.52 22.97,57.92 23.75,58.29 24.55,58.62 25.37,58.9 26.2,59.14 27.05,59.34 27.9,59.49 28.75,59.6 29.62,59.66 30.48,59.67 31.37,59.64 32.26,59.56 33.15,59.44 34.02,59.26 34.88,59.04 35.73,58.77 36.57,58.46 37.38,58.1 38.18,57.7 38.95,57.26 39.7,56.77 40.42,56.25 41.11,55.69 41.76,55.09 42.39,54.46 42.97,53.79 43.53,53.1 44.04,52.37 44.51,51.62 44.94,50.85 45.33,50.05 45.67,49.23 45.97,48.4 46.23,47.55 46.44,46.69 46.6,45.82 46.71,44.95 46.77,44.06 46.79,43.18 46.76,42.3 46.68,41.42 46.56,40.54 46.39,39.68 46.17,38.82 45.9,37.98 45.59,37.16 45.24,36.35 44.84,35.57 44.4,34.8 43.92,34.06 43.41,33.35 42.85,32.67 42.26,32.02 41.63,31.41 40.98,30.82 40.29,30.28 39.57,29.77 38.83,29.3 38.06,28.88 37.27,28.49 36.47,28.15 35.64,27.86 34.8,27.61 33.95,27.4 33.09,27.24 32.23,27.13 31.35,27.07 30.48,27.05 29.61,27.08 28.74,27.16 27.87,27.28 27.02,27.45 26.17,27.67 25.34,27.93 24.53,28.24 23.73,28.59 22.95,28.98 22.2,29.41 21.47,29.89 20.76,30.4 20.09,30.95 19.45,31.53 18.84,32.15 18.26,32.8 17.72,33.48 17.22,34.19 16.76,34.93 16.34,35.68 15.96,36.46 15.62,37.26 15.33,38.08 15.08,38.9 14.88,39.75 14.72,40.6 14.61,41.45 14.55,42.32 14.53,43.18 14.56,44.04 14.64,44.9 14.76,45.76 14.93,46.6 15.14,47.44 15.4,48.26 15.7,49.07 16.05,49.86 16.44,50.62 16.87,51.37 17.34,52.09 17.84,52.79 18.39,53.45 18.96,54.09 19.58,54.69 20.22,55.26 20.89,55.79 21.59,56.29 22.32,56.74 23.07,57.16 23.84,57.54 24.63,57.87 25.43,58.16 26.25,58.4 27.09,58.6 27.93,58.76 28.77,58.87 29.63,58.93 30.48,58.95 31.36,58.92 32.24,58.83 33.12,58.71 33.98,58.53 34.84,58.3 35.67,58.03 36.5,57.7 37.3,57.34 38.08,56.93 38.83,56.48 39.56,55.98 40.26,55.45 40.93,54.87 41.56,54.26 42.16,53.62 42.73,52.95 43.25,52.24 43.73,51.51 44.17,50.75 44.57,49.96 44.92,49.16 45.23,48.34 45.49,47.5 45.7,46.65 45.86,45.79 45.98,44.93 46.05,44.05 46.07,43.18 46.03,42.31 45.95,41.44 45.83,40.57 45.65,39.72 45.42,38.87 45.15,38.05 44.84,37.23 44.48,36.44 44.07,35.67 43.62,34.92 43.13,34.2 42.6,33.51 42.04,32.85 41.44,32.22 40.8,31.63 40.13,31.08 39.43,30.56 38.71,30.08 37.96,29.65 37.19,29.26 36.39,28.91 35.58,28.6 34.75,28.35 33.91,28.14 33.06,27.97 32.21,27.86 31.34,27.79 30.48,27.78 29.62,27.81 28.76,27.89 27.9,28.01 27.06,28.19 26.22,28.41 25.41,28.68 24.6,28.99 23.82,29.35 23.06,29.75 22.32,30.19 21.61,30.68 20.92,31.2 20.27,31.76 19.65,32.35 19.07,32.98 18.52,33.64 18.01,34.33 17.54,35.05 17.11,35.79 16.72,36.55 16.37,37.34 16.08,38.14 15.82,38.96 15.61,39.79 15.45,40.63 15.34,41.47 15.28,42.33 15.26,43.18 15.29,44.03 15.37,44.88 15.49,45.73 15.67,46.56 15.88,47.38 16.15,48.19 16.46,48.99 16.81,49.76 17.21,50.51 17.65,51.24 18.12,51.95 18.64,52.62 19.19,53.27 19.78,53.88 20.4,54.46 21.05,55 21.74,55.5 22.44,55.97 23.18,56.39 23.93,56.78 24.71,57.12 25.5,57.41 26.31,57.66 27.13,57.87 27.96,58.03 28.79,58.14 29.64,58.2 30.48,58.22 31.35,58.19 32.22,58.1 33.09,57.97 33.94,57.79 34.78,57.56 35.61,57.28 36.42,56.95 37.21,56.57 37.97,56.15 38.71,55.69 39.42,55.18 40.1,54.64 40.74,54.06 41.35,53.44 41.92,52.78 42.46,52.1 42.95,51.38 43.4,50.64 43.81,49.87 44.17,49.08 44.48,48.28 44.75,47.45 44.96,46.61 45.13,45.76 45.25,44.91 45.32,44.04 45.34,43.18 45.31,42.32 45.22,41.46 45.09,40.6 44.91,39.76 44.68,38.93 44.4,38.11 44.08,37.31 43.71,36.54 43.3,35.78 42.84,35.05 42.34,34.35 41.8,33.68 41.22,33.04 40.61,32.44 39.97,31.88 39.29,31.35 38.58,30.86 37.85,30.42 37.09,30.02 36.31,29.66 35.51,29.35 34.7,29.09 33.87,28.87 33.03,28.71 32.19,28.59 31.33,28.52 30.48,28.5 29.63,28.54 28.78,28.62 27.93,28.75 27.1,28.93 26.28,29.15 25.47,29.43 24.69,29.75 23.92,30.11 23.17,30.52 22.45,30.97 21.76,31.47 21.1,32 20.47,32.57 19.87,33.17 19.31,33.81 18.79,34.48 18.31,35.18 17.87,35.9 17.48,36.65 17.13,37.42 16.82,38.21 16.56,39.01 16.35,39.83 16.19,40.66 16.07,41.5 16,42.34 15.99,43.18 16.02,44.02 16.1,44.86 16.23,45.69 16.4,46.52 16.63,47.33 16.9,48.12 17.21,48.9 17.58,49.66 17.98,50.4 18.43,51.11 18.91,51.79 19.44,52.45 20,53.07 20.6,53.65 21.23,54.21 21.89,54.72 22.58,55.19 23.29,55.63 24.03,56.02 24.79,56.37 25.57,56.67 26.37,56.92 27.17,57.13 27.99,57.3 28.82,57.41 29.65,57.48 30.48,57.49 31.34,57.46 32.2,57.37 33.06,57.24 33.9,57.05 34.73,56.81 35.54,56.52 36.33,56.19 37.11,55.8 37.85,55.37 38.57,54.9 39.26,54.39 39.92,53.83 40.54,53.24 41.12,52.61 41.66,51.94 42.17,51.25 42.63,50.52 43.04,49.77 43.41,49 43.73,48.21 44,47.39 44.23,46.57 44.4,45.73 44.52,44.89 44.59,44.03 44.61,43.18 44.58,42.33 44.49,41.48 44.36,40.64 44.17,39.8 43.94,38.99 43.65,38.18 43.32,37.4 42.94,36.64 42.52,35.9 42.05,35.19 41.54,34.51 40.99,33.86 40.41,33.25 39.79,32.68 39.13,32.14 38.44,31.64 37.73,31.19 36.99,30.78 36.23,30.41 35.44,30.1 34.64,29.83 33.83,29.61 33,29.44 32.16,29.32 31.32,29.25 30.48,29.23 29.64,29.26 28.8,29.35 27.97,29.48 27.15,29.66 26.34,29.9 25.55,30.18 24.78,30.5 24.02,30.88 23.3,31.3 22.6,31.76 21.92,32.26 21.29,32.8 20.68,33.38 20.11,33.99 19.58,34.64 19.09,35.32 18.64,36.02 18.24,36.76 17.88,37.51 17.57,38.28 17.3,39.07 17.09,39.88 16.92,40.69 16.8,41.52 16.73,42.35 16.71,43.18 16.74,44.01 16.83,44.84 16.96,45.66 17.14,46.47 17.37,47.27 17.65,48.05 17.97,48.81 18.34,49.55 18.75,50.27 19.21,50.96 19.7,51.62 20.24,52.25 20.81,52.85 21.42,53.41 22.05,53.94 22.72,54.42 23.42,54.86 24.14,55.26 24.88,55.61 25.65,55.92 26.43,56.18 27.22,56.4 28.03,56.56 28.84,56.68 29.66,56.75 30.48,56.77 31.33,56.73 32.18,56.64 33.02,56.5 33.85,56.31 34.67,56.07 35.47,55.77 36.24,55.43 37,55.03 37.72,54.6 38.42,54.11 39.09,53.59 39.72,53.02 40.31,52.42 40.87,51.78 41.38,51.1 41.85,50.4 42.28,49.67 42.65,48.91 42.98,48.13 43.26,47.33 43.49,46.52 43.67,45.7 43.79,44.86 43.87,44.02 43.88,43.18 43.85,42.34 43.76,41.5 43.63,40.67 43.43,39.85 43.19,39.05 42.9,38.26 42.56,37.49 42.18,36.75 41.74,36.03 41.27,35.34 40.75,34.69 40.19,34.06 39.59,33.48 38.96,32.93 38.29,32.42 37.6,31.96 36.88,31.54 36.13,31.17 35.36,30.85 34.58,30.57 33.78,30.34 32.96,30.17 32.14,30.05 31.31,29.98 30.48,29.96 29.65,29.99 28.82,30.08 28.01,30.21 27.2,30.4 26.41,30.64 25.63,30.93 24.87,31.26 24.14,31.64 23.43,32.07 22.75,32.54 22.1,33.05 21.49,33.6 20.91,34.19 20.37,34.82 19.87,35.47 19.41,36.16 19,36.87 18.63,37.61 18.31,38.36 18.04,39.14 17.82,39.93 17.65,40.73 17.53,41.54 17.46,42.36 17.44,43.18 17.47,44 17.56,44.81 17.69,45.62 17.88,46.42 18.11,47.2 18.4,47.96 18.73,48.71 19.1,49.43 19.52,50.13 19.99,50.8 20.49,51.44 21.04,52.05 21.62,52.62 22.23,53.15 22.88,53.64 23.55,54.09 24.26,54.5 24.98,54.86 25.73,55.18 26.5,55.44 27.27,55.66 28.07,55.83 28.87,55.95 29.67,56.02 30.48,56.04 31.32,56 32.16,55.91 32.98,55.77 33.8,55.57 34.6,55.32 35.38,55.02 36.14,54.67 36.88,54.26 37.59,53.82 38.26,53.32 38.9,52.79 39.51,52.21 40.07,51.59 40.6,50.94 41.08,50.26 41.51,49.55 41.9,48.81 42.23,48.05 42.52,47.27 42.75,46.47 42.94,45.66 43.06,44.84 43.14,44.01 43.16,43.18 43.12,42.35 43.03,41.53 42.89,40.71 42.7,39.91 42.45,39.12 42.15,38.35 41.8,37.6 41.41,36.87 40.96,36.17 40.48,35.51 39.95,34.88 39.38,34.28 38.77,33.72 38.13,33.21 37.46,32.73 36.76,32.31 36.03,31.93 35.28,31.59 34.51,31.31 33.72,31.08 32.92,30.9 32.11,30.78 31.3,30.7 30.48,30.68 29.66,30.72 28.85,30.81 28.05,30.95 27.25,31.14 26.48,31.38 25.72,31.68 24.98,32.02 24.26,32.41 23.58,32.85 22.92,33.33 22.3,33.85 21.71,34.41 21.16,35.01 20.65,35.64 20.18,36.3 19.76,36.99 19.39,37.71 19.06,38.45 18.78,39.21 18.56,39.99 18.38,40.77 18.26,41.57 18.19,42.37 18.17,43.18 18.2,43.98 18.29,44.79 18.43,45.58 18.62,46.36 18.86,47.13 19.15,47.87 19.48,48.6 19.87,49.31 20.3,49.98 20.77,50.63 21.28,51.24 21.84,51.82 22.43,52.36 23.05,52.87 23.7,53.32 24.38,53.74 25.09,54.11 25.82,54.43 26.57,54.7 27.33,54.93 28.11,55.1 28.89,55.22 29.69,55.29 30.48,55.31 31.31,55.28 32.13,55.18 32.94,55.04 33.74,54.83 34.53,54.57 35.29,54.26 36.04,53.9 36.75,53.49 37.44,53.03 38.09,52.53 38.7,51.98 39.28,51.4 39.81,50.77 40.3,50.11 40.74,49.42 41.14,48.7 41.48,47.96 41.78,47.2 42.02,46.41 42.2,45.62 42.33,44.81 42.41,44 42.43,43.18 42.39,42.37 42.3,41.55 42.16,40.75 41.96,39.96 41.7,39.19 41.4,38.44 41.04,37.71 40.64,37 40.18,36.33 39.69,35.69 39.15,35.08 38.57,34.52 37.96,33.99 37.31,33.51 36.63,33.07 35.92,32.68 35.19,32.34 34.43,32.05 33.66,31.82 32.88,31.63 32.08,31.51 31.28,31.43 30.48,31.41 29.68,31.45 28.88,31.54 28.09,31.68 27.31,31.88 26.55,32.13 25.81,32.43 25.09,32.78 24.4,33.18 23.73,33.62 23.1,34.11 22.51,34.64 21.95,35.21 21.43,35.82 20.96,36.46 20.53,37.13 20.14,37.82 19.81,38.54 19.53,39.29 19.29,40.05 19.11,40.82 18.99,41.6 18.91,42.39 18.89,43.18 18.93,43.97 19.02,44.76 19.16,45.53 19.35,46.3 19.6,47.05 19.9,47.78 20.24,48.49 20.63,49.17 21.07,49.82 21.55,50.44 22.08,51.03 22.64,51.58 23.23,52.09 23.86,52.56 24.52,52.98 25.21,53.36 25.92,53.68 26.65,53.96 27.39,54.19 28.15,54.37 28.92,54.49 29.7,54.57 30.48,54.59 31.29,54.55 32.1,54.45 32.9,54.3 33.68,54.09 34.45,53.83 35.2,53.51 35.92,53.14 36.61,52.72 37.27,52.25 37.89,51.74 38.48,51.18 39.02,50.58 39.52,49.95 39.98,49.28 40.38,48.59 40.73,47.86 41.03,47.12 41.28,46.35 41.47,45.57 41.61,44.78 41.68,43.98 41.7,43.18 41.67,42.38 41.57,41.59 41.42,40.8 41.22,40.03 40.96,39.27 40.64,38.54 40.28,37.83 39.87,37.15 39.41,36.5 38.9,35.88 38.35,35.31 37.76,34.77 37.14,34.28 36.49,33.84 35.8,33.44 35.09,33.09 34.35,32.8 33.6,32.55 32.83,32.37 32.05,32.23 31.27,32.16 30.48,32.14 29.69,32.17 28.91,32.27 28.14,32.42 27.38,32.62 26.64,32.87 25.91,33.18 25.22,33.54 24.55,33.95 23.91,34.4 23.3,34.9 22.74,35.44 22.21,36.01 21.73,36.63 21.29,37.27 20.9,37.95 20.56,38.65 20.27,39.37 20.03,40.11 19.84,40.87 19.71,41.63 19.64,42.4 19.62,43.18 19.66,43.95 19.75,44.72 19.89,45.48 20.09,46.23 20.34,46.96 20.65,47.67 21,48.36 21.4,49.02 21.85,49.64 22.34,50.24 22.87,50.79 23.43,51.31 24.04,51.79 24.67,52.22 25.33,52.6 26.02,52.94 26.73,53.22 27.46,53.46 28.2,53.64 28.96,53.77 29.72,53.84 30.48,53.86 31.28,53.82 32.07,53.72 32.85,53.56 33.62,53.35 34.37,53.08 35.09,52.75 35.79,52.37 36.46,51.95 37.09,51.47 37.68,50.94 38.24,50.38 38.75,49.77 39.21,49.13 39.62,48.46 39.98,47.76 40.29,47.03 40.54,46.28 40.74,45.52 40.88,44.75 40.96,43.97 40.98,43.18 40.94,42.4 40.84,41.62 40.69,40.85 40.48,40.1 40.21,39.36 39.89,38.65 39.52,37.96 39.1,37.31 38.63,36.68 38.11,36.1 37.55,35.56 36.96,35.05 36.33,34.6 35.67,34.19 34.98,33.84 34.26,33.54 33.53,33.29 32.78,33.1 32.02,32.96 31.25,32.89 30.48,32.87 29.71,32.9 28.95,33 28.19,33.15 27.45,33.36 26.73,33.62 